# Altium PCB Mutiple_V1.PcbDoc (part 3 of 3) (continued)
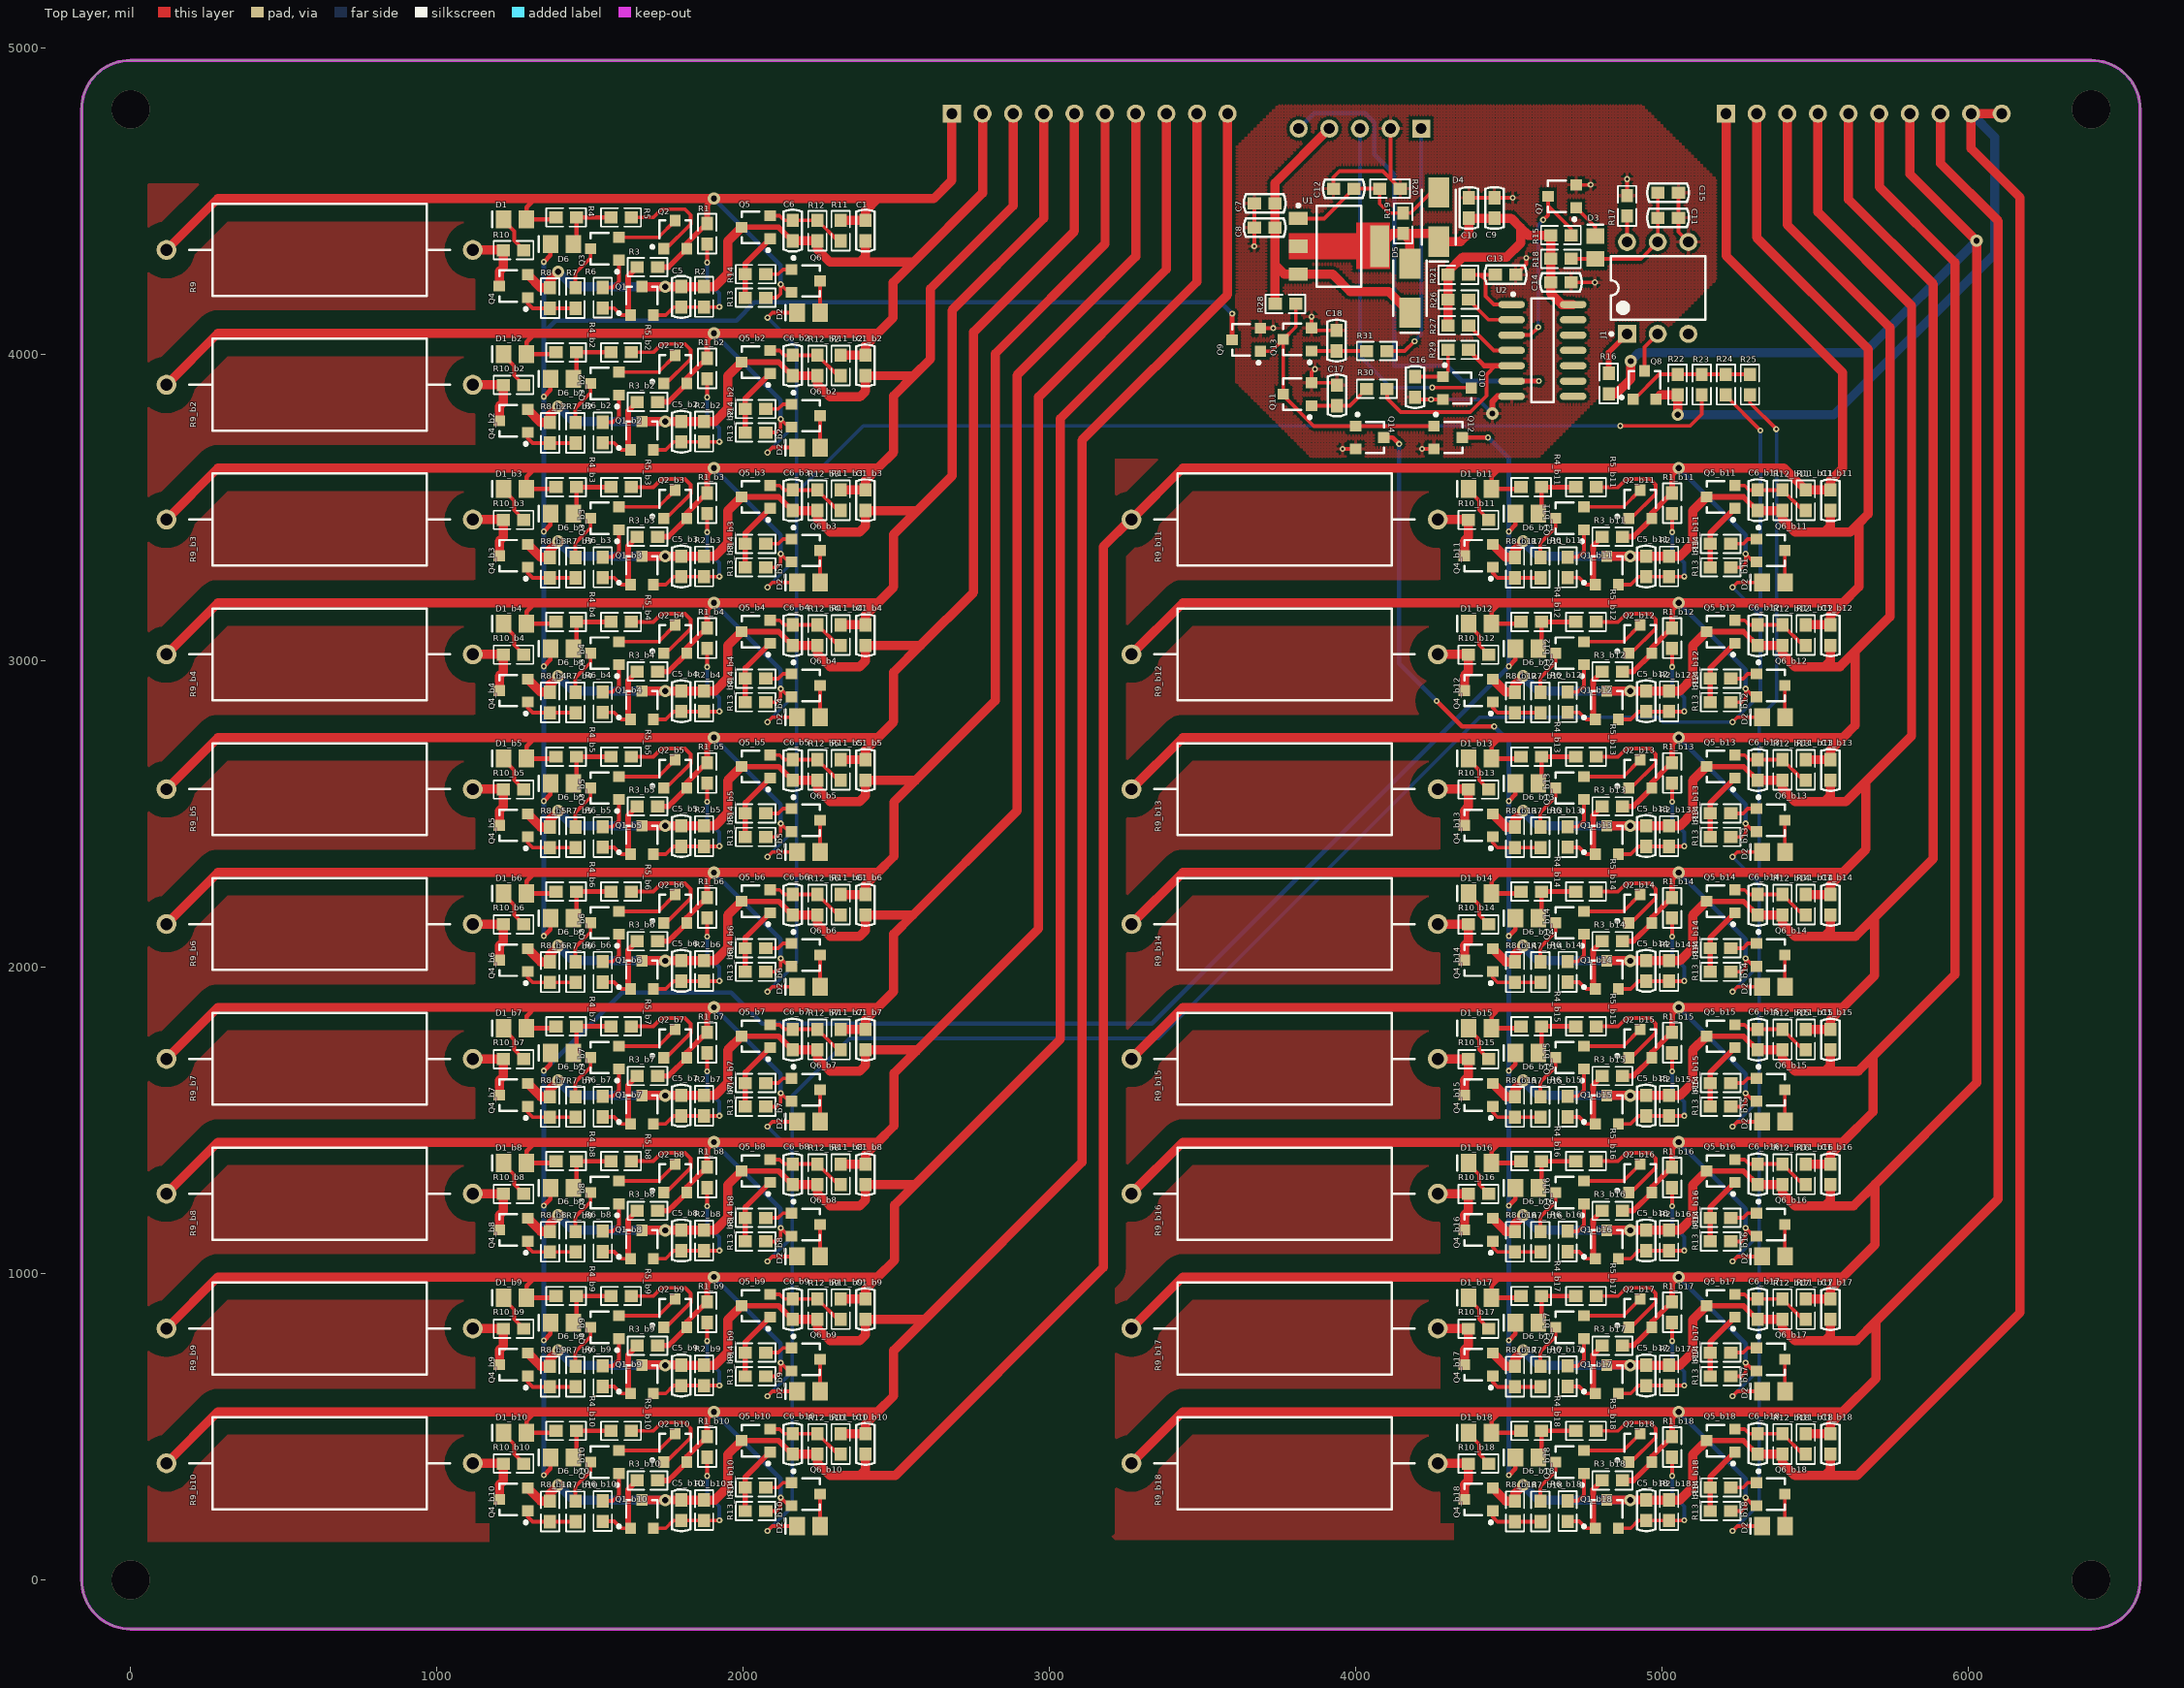
[diagram p0: Top Layer view]
## Nets (pads, with @x,y where several pads share a name; then routed paths per layer and width w, separated by ;. In a path a pad name is that pad's centre, name@x,y a point inside that pad or via, vN(x,y) a via of type N, cw(c..) or ccw(c..) an arc to the next point about the centre after c; other vN are vias at no path point) (continued)
NetQ3_1: Q3.1 R6.1 | length 130.8
  Top Layer w12: R6.1@1541,4218.46 1574.46,4218.46 1594.26,4238.26 Q3.1@1594.26,4307.6
NetQ3_3: Q3.3 R7.1 | length 150.6
  Top Layer w12: R7.1@1453.74,4219.2 R7.1@1452,4217.46 1452,4265 1501.74,4314.74 Q3.3@1501.74,4345
NetQ3_b2_1: Q3_b2.1 R6_b2.1 | length 130.8
  Top Layer w12: R6_b2.1@1541,3778.46 1574.46,3778.46 1594.26,3798.26 Q3_b2.1@1594.26,3867.6
NetQ3_b2_3: Q3_b2.3 R7_b2.1 | length 150.6
  Top Layer w12: R7_b2.1@1453.74,3779.2 R7_b2.1@1452,3777.46 1452,3825 1501.74,3874.74 Q3_b2.3@1501.74,3905
NetQ3_b3_1: Q3_b3.1 R6_b3.1 | length 130.8
  Top Layer w12: R6_b3.1@1541,3338.46 1574.46,3338.46 1594.26,3358.26 Q3_b3.1@1594.26,3427.6
NetQ3_b3_3: Q3_b3.3 R7_b3.1 | length 150.6
  Top Layer w12: R7_b3.1@1453.74,3339.2 R7_b3.1@1452,3337.46 1452,3385 1501.74,3434.74 Q3_b3.3@1501.74,3465
NetQ3_b4_1: Q3_b4.1 R6_b4.1 | length 130.8
  Top Layer w12: R6_b4.1@1541,2898.46 1574.46,2898.46 1594.26,2918.26 Q3_b4.1@1594.26,2987.6
NetQ3_b4_3: Q3_b4.3 R7_b4.1 | length 150.6
  Top Layer w12: R7_b4.1@1453.74,2899.2 R7_b4.1@1452,2897.46 1452,2945 1501.74,2994.74 Q3_b4.3@1501.74,3025
NetQ3_b5_1: Q3_b5.1 R6_b5.1 | length 130.8
  Top Layer w12: R6_b5.1@1541,2458.46 1574.46,2458.46 1594.26,2478.26 Q3_b5.1@1594.26,2547.6
NetQ3_b5_3: Q3_b5.3 R7_b5.1 | length 150.6
  Top Layer w12: R7_b5.1@1453.74,2459.2 R7_b5.1@1452,2457.46 1452,2505 1501.74,2554.74 Q3_b5.3@1501.74,2585
NetQ3_b6_1: Q3_b6.1 R6_b6.1 | length 130.8
  Top Layer w12: R6_b6.1@1541,2018.46 1574.46,2018.46 1594.26,2038.26 Q3_b6.1@1594.26,2107.6
NetQ3_b6_3: Q3_b6.3 R7_b6.1 | length 150.6
  Top Layer w12: R7_b6.1@1453.74,2019.2 R7_b6.1@1452,2017.46 1452,2065 1501.74,2114.74 Q3_b6.3@1501.74,2145
NetQ3_b7_1: Q3_b7.1 R6_b7.1 | length 130.8
  Top Layer w12: R6_b7.1@1541,1578.46 1574.46,1578.46 1594.26,1598.26 Q3_b7.1@1594.26,1667.6
NetQ3_b7_3: Q3_b7.3 R7_b7.1 | length 150.6
  Top Layer w12: R7_b7.1@1453.74,1579.2 R7_b7.1@1452,1577.46 1452,1625 1501.74,1674.74 Q3_b7.3@1501.74,1705
NetQ3_b8_1: Q3_b8.1 R6_b8.1 | length 130.8
  Top Layer w12: R6_b8.1@1541,1138.46 1574.46,1138.46 1594.26,1158.26 Q3_b8.1@1594.26,1227.6
NetQ3_b8_3: Q3_b8.3 R7_b8.1 | length 150.6
  Top Layer w12: R7_b8.1@1453.74,1139.2 R7_b8.1@1452,1137.46 1452,1185 1501.74,1234.74 Q3_b8.3@1501.74,1265
NetQ3_b9_1: Q3_b9.1 R6_b9.1 | length 130.8
  Top Layer w12: R6_b9.1@1541,698.46 1574.46,698.46 1594.26,718.26 Q3_b9.1@1594.26,787.6
NetQ3_b9_3: Q3_b9.3 R7_b9.1 | length 150.6
  Top Layer w12: R7_b9.1@1453.74,699.2 R7_b9.1@1452,697.46 1452,745 1501.74,794.74 Q3_b9.3@1501.74,825
NetQ3_b10_1: Q3_b10.1 R6_b10.1 | length 130.8
  Top Layer w12: R6_b10.1@1541,258.46 1574.46,258.46 1594.26,278.26 Q3_b10.1@1594.26,347.6
NetQ3_b10_3: Q3_b10.3 R7_b10.1 | length 150.6
  Top Layer w12: R7_b10.1@1453.74,259.2 R7_b10.1@1452,257.46 1452,305 1501.74,354.74 Q3_b10.3@1501.74,385
NetQ3_b11_1: Q3_b11.1 R6_b11.1 | length 130.8
  Top Layer w12: R6_b11.1@4691,3338.46 4724.46,3338.46 4744.26,3358.26 Q3_b11.1@4744.26,3427.6
NetQ3_b11_3: Q3_b11.3 R7_b11.1 | length 150.6
  Top Layer w12: R7_b11.1@4603.74,3339.2 R7_b11.1@4602,3337.46 4602,3385 4651.74,3434.74 Q3_b11.3@4651.74,3465
NetQ3_b12_1: Q3_b12.1 R6_b12.1 | length 130.8
  Top Layer w12: R6_b12.1@4691,2898.46 4724.46,2898.46 4744.26,2918.26 Q3_b12.1@4744.26,2987.6
NetQ3_b12_3: Q3_b12.3 R7_b12.1 | length 150.6
  Top Layer w12: R7_b12.1@4603.74,2899.2 R7_b12.1@4602,2897.46 4602,2945 4651.74,2994.74 Q3_b12.3@4651.74,3025
NetQ3_b13_1: Q3_b13.1 R6_b13.1 | length 130.8
  Top Layer w12: R6_b13.1@4691,2458.46 4724.46,2458.46 4744.26,2478.26 Q3_b13.1@4744.26,2547.6
NetQ3_b13_3: Q3_b13.3 R7_b13.1 | length 150.6
  Top Layer w12: R7_b13.1@4603.74,2459.2 R7_b13.1@4602,2457.46 4602,2505 4651.74,2554.74 Q3_b13.3@4651.74,2585
NetQ3_b14_1: Q3_b14.1 R6_b14.1 | length 130.8
  Top Layer w12: R6_b14.1@4691,2018.46 4724.46,2018.46 4744.26,2038.26 Q3_b14.1@4744.26,2107.6
NetQ3_b14_3: Q3_b14.3 R7_b14.1 | length 150.6
  Top Layer w12: R7_b14.1@4603.74,2019.2 R7_b14.1@4602,2017.46 4602,2065 4651.74,2114.74 Q3_b14.3@4651.74,2145
NetQ3_b15_1: Q3_b15.1 R6_b15.1 | length 130.8
  Top Layer w12: R6_b15.1@4691,1578.46 4724.46,1578.46 4744.26,1598.26 Q3_b15.1@4744.26,1667.6
NetQ3_b15_3: Q3_b15.3 R7_b15.1 | length 150.6
  Top Layer w12: R7_b15.1@4603.74,1579.2 R7_b15.1@4602,1577.46 4602,1625 4651.74,1674.74 Q3_b15.3@4651.74,1705
NetQ3_b16_1: Q3_b16.1 R6_b16.1 | length 130.8
  Top Layer w12: R6_b16.1@4691,1138.46 4724.46,1138.46 4744.26,1158.26 Q3_b16.1@4744.26,1227.6
NetQ3_b16_3: Q3_b16.3 R7_b16.1 | length 150.6
  Top Layer w12: R7_b16.1@4603.74,1139.2 R7_b16.1@4602,1137.46 4602,1185 4651.74,1234.74 Q3_b16.3@4651.74,1265
NetQ3_b17_1: Q3_b17.1 R6_b17.1 | length 130.8
  Top Layer w12: R6_b17.1@4691,698.46 4724.46,698.46 4744.26,718.26 Q3_b17.1@4744.26,787.6
NetQ3_b17_3: Q3_b17.3 R7_b17.1 | length 150.6
  Top Layer w12: R7_b17.1@4603.74,699.2 R7_b17.1@4602,697.46 4602,745 4651.74,794.74 Q3_b17.3@4651.74,825
NetQ3_b18_1: Q3_b18.1 R6_b18.1 | length 130.8
  Top Layer w12: R6_b18.1@4691,258.46 4724.46,258.46 4744.26,278.26 Q3_b18.1@4744.26,347.6
NetQ3_b18_3: Q3_b18.3 R7_b18.1 | length 150.6
  Top Layer w12: R7_b18.1@4603.74,259.2 R7_b18.1@4602,257.46 4602,305 4651.74,354.74 Q3_b18.3@4651.74,385
NetQ4_1: Q4.1 R7.2 R8.2 | length 181.6
  Top Layer w12: Q4.1@1296.26,4185.6 1296.26,4166.28 1312,4150.54 R8.2@1369,4150.54 R7.2@1452,4150.54
NetQ4_3: Q4.3 R9.1 R10.1 | length 220.8
  Top Layer w30: R9.1@1117,4341 R10.1@1215.54,4341 ; Q4.3@1203.74,4223 1203.74,4270.74 1216.54,4283.54 R10.1@1216.54,4340
NetQ4_b2_1: Q4_b2.1 R7_b2.2 R8_b2.2 | length 181.6
  Top Layer w12: Q4_b2.1@1296.26,3745.6 1296.26,3726.28 1312,3710.54 R8_b2.2@1369,3710.54 R7_b2.2@1452,3710.54
NetQ4_b2_3: Q4_b2.3 R9_b2.1 R10_b2.1 | length 220.8
  Top Layer w30: R9_b2.1@1117,3901 R10_b2.1@1215.54,3901 ; Q4_b2.3@1203.74,3783 1203.74,3830.74 1216.54,3843.54 R10_b2.1@1216.54,3900
NetQ4_b3_1: Q4_b3.1 R7_b3.2 R8_b3.2 | length 181.6
  Top Layer w12: Q4_b3.1@1296.26,3305.6 1296.26,3286.28 1312,3270.54 R8_b3.2@1369,3270.54 R7_b3.2@1452,3270.54
NetQ4_b3_3: Q4_b3.3 R9_b3.1 R10_b3.1 | length 220.8
  Top Layer w30: R9_b3.1@1117,3461 R10_b3.1@1215.54,3461 ; Q4_b3.3@1203.74,3343 1203.74,3390.74 1216.54,3403.54 R10_b3.1@1216.54,3460
NetQ4_b4_1: Q4_b4.1 R7_b4.2 R8_b4.2 | length 181.6
  Top Layer w12: Q4_b4.1@1296.26,2865.6 1296.26,2846.28 1312,2830.54 R8_b4.2@1369,2830.54 R7_b4.2@1452,2830.54
NetQ4_b4_3: Q4_b4.3 R9_b4.1 R10_b4.1 | length 220.8
  Top Layer w30: R9_b4.1@1117,3021 R10_b4.1@1215.54,3021 ; Q4_b4.3@1203.74,2903 1203.74,2950.74 1216.54,2963.54 R10_b4.1@1216.54,3020
NetQ4_b5_1: Q4_b5.1 R7_b5.2 R8_b5.2 | length 181.6
  Top Layer w12: Q4_b5.1@1296.26,2425.6 1296.26,2406.28 1312,2390.54 R8_b5.2@1369,2390.54 R7_b5.2@1452,2390.54
NetQ4_b5_3: Q4_b5.3 R9_b5.1 R10_b5.1 | length 220.8
  Top Layer w30: R9_b5.1@1117,2581 R10_b5.1@1215.54,2581 ; Q4_b5.3@1203.74,2463 1203.74,2510.74 1216.54,2523.54 R10_b5.1@1216.54,2580
NetQ4_b6_1: Q4_b6.1 R7_b6.2 R8_b6.2 | length 181.6
  Top Layer w12: Q4_b6.1@1296.26,1985.6 1296.26,1966.28 1312,1950.54 R8_b6.2@1369,1950.54 R7_b6.2@1452,1950.54
NetQ4_b6_3: Q4_b6.3 R9_b6.1 R10_b6.1 | length 220.8
  Top Layer w30: R9_b6.1@1117,2141 R10_b6.1@1215.54,2141 ; Q4_b6.3@1203.74,2023 1203.74,2070.74 1216.54,2083.54 R10_b6.1@1216.54,2140
NetQ4_b7_1: Q4_b7.1 R7_b7.2 R8_b7.2 | length 181.6
  Top Layer w12: Q4_b7.1@1296.26,1545.6 1296.26,1526.28 1312,1510.54 R8_b7.2@1369,1510.54 R7_b7.2@1452,1510.54
NetQ4_b7_3: Q4_b7.3 R9_b7.1 R10_b7.1 | length 220.8
  Top Layer w30: R9_b7.1@1117,1701 R10_b7.1@1215.54,1701 ; Q4_b7.3@1203.74,1583 1203.74,1630.74 1216.54,1643.54 R10_b7.1@1216.54,1700
NetQ4_b8_1: Q4_b8.1 R7_b8.2 R8_b8.2 | length 181.6
  Top Layer w12: Q4_b8.1@1296.26,1105.6 1296.26,1086.28 1312,1070.54 R8_b8.2@1369,1070.54 R7_b8.2@1452,1070.54
NetQ4_b8_3: Q4_b8.3 R9_b8.1 R10_b8.1 | length 220.8
  Top Layer w30: R9_b8.1@1117,1261 R10_b8.1@1215.54,1261 ; Q4_b8.3@1203.74,1143 1203.74,1190.74 1216.54,1203.54 R10_b8.1@1216.54,1260
NetQ4_b9_1: Q4_b9.1 R7_b9.2 R8_b9.2 | length 181.6
  Top Layer w12: Q4_b9.1@1296.26,665.6 1296.26,646.28 1312,630.54 R8_b9.2@1369,630.54 R7_b9.2@1452,630.54
NetQ4_b9_3: Q4_b9.3 R9_b9.1 R10_b9.1 | length 220.8
  Top Layer w30: R9_b9.1@1117,821 R10_b9.1@1215.54,821 ; Q4_b9.3@1203.74,703 1203.74,750.74 1216.54,763.54 R10_b9.1@1216.54,820
NetQ4_b10_1: Q4_b10.1 R7_b10.2 R8_b10.2 | length 181.6
  Top Layer w12: Q4_b10.1@1296.26,225.6 1296.26,206.28 1312,190.54 R8_b10.2@1369,190.54 R7_b10.2@1452,190.54
NetQ4_b10_3: Q4_b10.3 R9_b10.1 R10_b10.1 | length 220.8
  Top Layer w30: R9_b10.1@1117,381 R10_b10.1@1215.54,381 ; Q4_b10.3@1203.74,263 1203.74,310.74 1216.54,323.54 R10_b10.1@1216.54,380
NetQ4_b11_1: Q4_b11.1 R7_b11.2 R8_b11.2 | length 181.6
  Top Layer w12: Q4_b11.1@4446.26,3305.6 4446.26,3286.28 4462,3270.54 R8_b11.2@4519,3270.54 R7_b11.2@4602,3270.54
NetQ4_b11_3: Q4_b11.3 R9_b11.1 R10_b11.1 | length 220.8
  Top Layer w30: R9_b11.1@4267,3461 R10_b11.1@4365.54,3461 ; Q4_b11.3@4353.74,3343 4353.74,3390.74 4366.54,3403.54 R10_b11.1@4366.54,3460
NetQ4_b12_1: Q4_b12.1 R7_b12.2 R8_b12.2 | length 181.6
  Top Layer w12: Q4_b12.1@4446.26,2865.6 4446.26,2846.28 4462,2830.54 R8_b12.2@4519,2830.54 R7_b12.2@4602,2830.54
NetQ4_b12_3: Q4_b12.3 R9_b12.1 R10_b12.1 | length 220.8
  Top Layer w30: R9_b12.1@4267,3021 R10_b12.1@4365.54,3021 ; Q4_b12.3@4353.74,2903 4353.74,2950.74 4366.54,2963.54 R10_b12.1@4366.54,3020
NetQ4_b13_1: Q4_b13.1 R7_b13.2 R8_b13.2 | length 181.6
  Top Layer w12: Q4_b13.1@4446.26,2425.6 4446.26,2406.28 4462,2390.54 R8_b13.2@4519,2390.54 R7_b13.2@4602,2390.54
NetQ4_b13_3: Q4_b13.3 R9_b13.1 R10_b13.1 | length 220.8
  Top Layer w30: R9_b13.1@4267,2581 R10_b13.1@4365.54,2581 ; Q4_b13.3@4353.74,2463 4353.74,2510.74 4366.54,2523.54 R10_b13.1@4366.54,2580
NetQ4_b14_1: Q4_b14.1 R7_b14.2 R8_b14.2 | length 181.6
  Top Layer w12: Q4_b14.1@4446.26,1985.6 4446.26,1966.28 4462,1950.54 R8_b14.2@4519,1950.54 R7_b14.2@4602,1950.54
NetQ4_b14_3: Q4_b14.3 R9_b14.1 R10_b14.1 | length 220.8
  Top Layer w30: R9_b14.1@4267,2141 R10_b14.1@4365.54,2141 ; Q4_b14.3@4353.74,2023 4353.74,2070.74 4366.54,2083.54 R10_b14.1@4366.54,2140
NetQ4_b15_1: Q4_b15.1 R7_b15.2 R8_b15.2 | length 181.6
  Top Layer w12: Q4_b15.1@4446.26,1545.6 4446.26,1526.28 4462,1510.54 R8_b15.2@4519,1510.54 R7_b15.2@4602,1510.54
NetQ4_b15_3: Q4_b15.3 R9_b15.1 R10_b15.1 | length 220.8
  Top Layer w30: R9_b15.1@4267,1701 R10_b15.1@4365.54,1701 ; Q4_b15.3@4353.74,1583 4353.74,1630.74 4366.54,1643.54 R10_b15.1@4366.54,1700
NetQ4_b16_1: Q4_b16.1 R7_b16.2 R8_b16.2 | length 181.6
  Top Layer w12: Q4_b16.1@4446.26,1105.6 4446.26,1086.28 4462,1070.54 R8_b16.2@4519,1070.54 R7_b16.2@4602,1070.54
NetQ4_b16_3: Q4_b16.3 R9_b16.1 R10_b16.1 | length 220.8
  Top Layer w30: R9_b16.1@4267,1261 R10_b16.1@4365.54,1261 ; Q4_b16.3@4353.74,1143 4353.74,1190.74 4366.54,1203.54 R10_b16.1@4366.54,1260
NetQ4_b17_1: Q4_b17.1 R7_b17.2 R8_b17.2 | length 181.6
  Top Layer w12: Q4_b17.1@4446.26,665.6 4446.26,646.28 4462,630.54 R8_b17.2@4519,630.54 R7_b17.2@4602,630.54
NetQ4_b17_3: Q4_b17.3 R9_b17.1 R10_b17.1 | length 220.8
  Top Layer w30: R9_b17.1@4267,821 R10_b17.1@4365.54,821 ; Q4_b17.3@4353.74,703 4353.74,750.74 4366.54,763.54 R10_b17.1@4366.54,820
NetQ4_b18_1: Q4_b18.1 R7_b18.2 R8_b18.2 | length 181.6
  Top Layer w12: Q4_b18.1@4446.26,225.6 4446.26,206.28 4462,190.54 R8_b18.2@4519,190.54 R7_b18.2@4602,190.54
NetQ4_b18_3: Q4_b18.3 R9_b18.1 R10_b18.1 | length 220.8
  Top Layer w30: R9_b18.1@4267,381 R10_b18.1@4365.54,381 ; Q4_b18.3@4353.74,263 4353.74,310.74 4366.54,323.54 R10_b18.1@4366.54,380
NetQ5_1: Q5.1 R13.1 R14.2 | length 226
  Top Layer w18: R13.1@2006.54,4185 R14.2@2006.54,4262 2006.54,4296.87 Q5.1@2087.26,4377.6
NetQ5_b2_1: Q5_b2.1 R13_b2.1 R14_b2.2 | length 226
  Top Layer w18: R13_b2.1@2006.54,3745 R14_b2.2@2006.54,3822 2006.54,3856.87 Q5_b2.1@2087.26,3937.6
NetQ5_b3_1: Q5_b3.1 R13_b3.1 R14_b3.2 | length 226
  Top Layer w18: R13_b3.1@2006.54,3305 R14_b3.2@2006.54,3382 2006.54,3416.87 Q5_b3.1@2087.26,3497.6
NetQ5_b4_1: Q5_b4.1 R13_b4.1 R14_b4.2 | length 226
  Top Layer w18: R13_b4.1@2006.54,2865 R14_b4.2@2006.54,2942 2006.54,2976.87 Q5_b4.1@2087.26,3057.6
NetQ5_b5_1: Q5_b5.1 R13_b5.1 R14_b5.2 | length 226
  Top Layer w18: R13_b5.1@2006.54,2425 R14_b5.2@2006.54,2502 2006.54,2536.87 Q5_b5.1@2087.26,2617.6
NetQ5_b6_1: Q5_b6.1 R13_b6.1 R14_b6.2 | length 226
  Top Layer w18: R13_b6.1@2006.54,1985 R14_b6.2@2006.54,2062 2006.54,2096.87 Q5_b6.1@2087.26,2177.6
NetQ5_b7_1: Q5_b7.1 R13_b7.1 R14_b7.2 | length 226
  Top Layer w18: R13_b7.1@2006.54,1545 R14_b7.2@2006.54,1622 2006.54,1656.87 Q5_b7.1@2087.26,1737.6
NetQ5_b8_1: Q5_b8.1 R13_b8.1 R14_b8.2 | length 226
  Top Layer w18: R13_b8.1@2006.54,1105 R14_b8.2@2006.54,1182 2006.54,1216.87 Q5_b8.1@2087.26,1297.6
NetQ5_b9_1: Q5_b9.1 R13_b9.1 R14_b9.2 | length 226
  Top Layer w18: R13_b9.1@2006.54,665 R14_b9.2@2006.54,742 2006.54,776.87 Q5_b9.1@2087.26,857.6
NetQ5_b10_1: Q5_b10.1 R13_b10.1 R14_b10.2 | length 226
  Top Layer w18: R13_b10.1@2006.54,225 R14_b10.2@2006.54,302 2006.54,336.87 Q5_b10.1@2087.26,417.6
NetQ5_b11_1: Q5_b11.1 R13_b11.1 R14_b11.2 | length 226
  Top Layer w18: R13_b11.1@5156.54,3305 R14_b11.2@5156.54,3382 5156.54,3416.87 Q5_b11.1@5237.26,3497.6
NetQ5_b12_1: Q5_b12.1 R13_b12.1 R14_b12.2 | length 226
  Top Layer w18: R13_b12.1@5156.54,2865 R14_b12.2@5156.54,2942 5156.54,2976.87 Q5_b12.1@5237.26,3057.6
NetQ5_b13_1: Q5_b13.1 R13_b13.1 R14_b13.2 | length 226
  Top Layer w18: R13_b13.1@5156.54,2425 R14_b13.2@5156.54,2502 5156.54,2536.87 Q5_b13.1@5237.26,2617.6
NetQ5_b14_1: Q5_b14.1 R13_b14.1 R14_b14.2 | length 226
  Top Layer w18: R13_b14.1@5156.54,1985 R14_b14.2@5156.54,2062 5156.54,2096.87 Q5_b14.1@5237.26,2177.6
NetQ5_b15_1: Q5_b15.1 R13_b15.1 R14_b15.2 | length 226
  Top Layer w18: R13_b15.1@5156.54,1545 R14_b15.2@5156.54,1622 5156.54,1656.87 Q5_b15.1@5237.26,1737.6
NetQ5_b16_1: Q5_b16.1 R13_b16.1 R14_b16.2 | length 226
  Top Layer w18: R13_b16.1@5156.54,1105 R14_b16.2@5156.54,1182 5156.54,1216.87 Q5_b16.1@5237.26,1297.6
NetQ5_b17_1: Q5_b17.1 R13_b17.1 R14_b17.2 | length 226
  Top Layer w18: R13_b17.1@5156.54,665 R14_b17.2@5156.54,742 5156.54,776.87 Q5_b17.1@5237.26,857.6
NetQ5_b18_1: Q5_b18.1 R13_b18.1 R14_b18.2 | length 226
  Top Layer w18: R13_b18.1@5156.54,225 R14_b18.2@5156.54,302 5156.54,336.87 Q5_b18.1@5237.26,417.6
NetQ6_1: Q6.1 R14.1 | length 90.7
  Top Layer w12: R14.1@2073.46,4262 2114,4262 2129.4,4277.4 Q6.1@2157.74,4277.4
NetQ6_b2_1: Q6_b2.1 R14_b2.1 | length 90.7
  Top Layer w12: R14_b2.1@2073.46,3822 2114,3822 2129.4,3837.4 Q6_b2.1@2157.74,3837.4
NetQ6_b3_1: Q6_b3.1 R14_b3.1 | length 90.7
  Top Layer w12: R14_b3.1@2073.46,3382 2114,3382 2129.4,3397.4 Q6_b3.1@2157.74,3397.4
NetQ6_b4_1: Q6_b4.1 R14_b4.1 | length 90.7
  Top Layer w12: R14_b4.1@2073.46,2942 2114,2942 2129.4,2957.4 Q6_b4.1@2157.74,2957.4
NetQ6_b5_1: Q6_b5.1 R14_b5.1 | length 90.7
  Top Layer w12: R14_b5.1@2073.46,2502 2114,2502 2129.4,2517.4 Q6_b5.1@2157.74,2517.4
NetQ6_b6_1: Q6_b6.1 R14_b6.1 | length 90.7
  Top Layer w12: R14_b6.1@2073.46,2062 2114,2062 2129.4,2077.4 Q6_b6.1@2157.74,2077.4
NetQ6_b7_1: Q6_b7.1 R14_b7.1 | length 90.7
  Top Layer w12: R14_b7.1@2073.46,1622 2114,1622 2129.4,1637.4 Q6_b7.1@2157.74,1637.4
NetQ6_b8_1: Q6_b8.1 R14_b8.1 | length 90.7
  Top Layer w12: R14_b8.1@2073.46,1182 2114,1182 2129.4,1197.4 Q6_b8.1@2157.74,1197.4
NetQ6_b9_1: Q6_b9.1 R14_b9.1 | length 90.7
  Top Layer w12: R14_b9.1@2073.46,742 2114,742 2129.4,757.4 Q6_b9.1@2157.74,757.4
NetQ6_b10_1: Q6_b10.1 R14_b10.1 | length 90.7
  Top Layer w12: R14_b10.1@2073.46,302 2114,302 2129.4,317.4 Q6_b10.1@2157.74,317.4
NetQ6_b11_1: Q6_b11.1 R14_b11.1 | length 90.7
  Top Layer w12: R14_b11.1@5223.46,3382 5264,3382 5279.4,3397.4 Q6_b11.1@5307.74,3397.4
NetQ6_b12_1: Q6_b12.1 R14_b12.1 | length 90.7
  Top Layer w12: R14_b12.1@5223.46,2942 5264,2942 5279.4,2957.4 Q6_b12.1@5307.74,2957.4
NetQ6_b13_1: Q6_b13.1 R14_b13.1 | length 90.7
  Top Layer w12: R14_b13.1@5223.46,2502 5264,2502 5279.4,2517.4 Q6_b13.1@5307.74,2517.4
NetQ6_b14_1: Q6_b14.1 R14_b14.1 | length 90.7
  Top Layer w12: R14_b14.1@5223.46,2062 5264,2062 5279.4,2077.4 Q6_b14.1@5307.74,2077.4
NetQ6_b15_1: Q6_b15.1 R14_b15.1 | length 90.7
  Top Layer w12: R14_b15.1@5223.46,1622 5264,1622 5279.4,1637.4 Q6_b15.1@5307.74,1637.4
NetQ6_b16_1: Q6_b16.1 R14_b16.1 | length 90.7
  Top Layer w12: R14_b16.1@5223.46,1182 5264,1182 5279.4,1197.4 Q6_b16.1@5307.74,1197.4
NetQ6_b17_1: Q6_b17.1 R14_b17.1 | length 90.7
  Top Layer w12: R14_b17.1@5223.46,742 5264,742 5279.4,757.4 Q6_b17.1@5307.74,757.4
NetQ6_b18_1: Q6_b18.1 R14_b18.1 | length 90.7
  Top Layer w12: R14_b18.1@5223.46,302 5264,302 5279.4,317.4 Q6_b18.1@5307.74,317.4
NetQ8_1: Q8.1 R22.2 R23.2 R24.2 R25.2 | length 415
  Top Layer w12: Q8.1@4904.6,3853.74 4908.52,3853.74 4989.71,3934.93 R22.2@5050,3934.93 R23.2@5128.67,3934.93 R24.2@5207.33,3934.93 R25.2@5286,3934.93
NetR26_1: R26.1 U2.2 | length 167.9
  Top Layer w12: R26.1@4367.46,4179 4433.46,4113 U2.2@4508,4113
NetR27_1: R27.1 U2.4 | length 174.5
  Top Layer w12: R27.1@4367.46,4095 4449.46,4013 U2.4@4508,4013
OFF: P3.1 R31.1 | length 805.9
  Top Layer w12: R31.1@4101.46,4011 4159,4011 v1(4191,4043)
  Bottom Layer w12: v1(4191,4043) 4213,4065 P3.1@4213,4737
OFF_S: R29.1 R30.1 U2.5 | length 667.8
  Top Layer w12: R30.1@4101.46,3887.32 4101.46,3856.54 4146,3812 4373,3812 4426,3865 4426,3934 4455,3963
  Top Layer w15: R29.1@4367.46,4015 4419.46,3963
  Top Layer w18: 4419.46,3963 4455,3963 U2.5@4508,3963
OUT5: D2.2 D2_b2.2 D2_b3.2 D2_b4.2 D2_b5.2 D2_b6.2 R23.1 | length 6559.4
  Top Layer w12: v1(2079,1920) 2095,1936 D2_b6.2@2175.6,1936 ; v1(2079,2360) 2095,2376 D2_b5.2@2175.6,2376 ; v1(2079,2800) 2095,2816 D2_b4.2@2175.6,2816 ; v1(2079,3240) 2095,3256 D2_b3.2@2175.6,3256 ; v1(2079,3680) 2095,3696 D2_b2.2@2175.6,3696 ; v1(2079,4120) 2095,4136 D2.2@2175.6,4136 ; v1(4863,3767) 5091,3767 5128.67,3804.67 R23.1@5128.67,3868
  Bottom Layer w12: v1(2079,1920) 2174,2015 2174,2455 ; v1(2079,2360) 2174,2455 ; v1(2079,2800) 2174,2895 ; v1(2079,3240) 2174,3335 ; v1(2079,3680) 2174,3775 ; v1(2079,4120) 2174,4025 2174,3775 ; v1(4863,3767) 2392,3767 2174,3549 ; 2174,2455 2174,2895 ; 2174,2895 2174,3335 ; 2174,3335 2174,3549 ; 2174,3549 2174,3775
OUT11: D2_b7.2 D2_b8.2 D2_b9.2 D2_b10.2 D2_b11.2 D2_b12.2 R24.1 | length 7285.8
  Top Layer w12: v1(2079,160) 2095,176 D2_b10.2@2175.6,176 ; v1(2079,600) 2095,616 D2_b9.2@2175.6,616 ; v1(2079,1040) 2095,1056 D2_b8.2@2175.6,1056 ; v1(2079,1480) 2095,1496 D2_b7.2@2175.6,1496 ; R24.1@5207.33,3868 5207.33,3864.67 v1(5320,3752) ; v1(5229,2800) 5245,2816 D2_b12.2@5325.6,2816 ; v1(5229,3240) 5245,3256 D2_b11.2@5325.6,3256
  Bottom Layer w12: v1(2079,160) 2160,241 2160,681 ; v1(2079,600) 2160,681 ; v1(2079,1040) 2160,1121 ; v1(2079,1480) 2160,1399 ; v1(5229,3240) 5320,3149 ; v1(5320,3752) 5320,3149 ; 2160,681 2160,1121 ; 2160,1121 2160,1399 ; 2160,1399 2160,1581 2347,1768 3356,1768 4404,2816 4986,2816 5002,2800 v1(5229,2800) 5320,2891 5320,3149
OUT17: D2_b13.2 D2_b14.2 D2_b15.2 D2_b16.2 D2_b17.2 D2_b18.2 R25.1 | length 5038.2
  Top Layer w12: v1(5229,160) 5245,176 D2_b18.2@5325.6,176 ; v1(5229,600) 5245,616 D2_b17.2@5325.6,616 ; v1(5229,1040) 5245,1056 D2_b16.2@5325.6,1056 ; v1(5229,1480) 5245,1496 D2_b15.2@5325.6,1496 ; v1(5229,1920) 5245,1936 D2_b14.2@5325.6,1936 ; v1(5229,2360) 5245,2376 D2_b13.2@5325.6,2376 ; R25.1@5286,3868 5286,3842 v1(5372,3756)
  Bottom Layer w12: v1(5229,160) 5316,247 5316,687 ; v1(5229,600) 5316,687 ; v1(5229,1040) 5316,1127 ; v1(5229,1480) 5316,1567 ; v1(5229,1920) 5316,2007 ; v1(5229,2360) 5316,2273 ; v1(5372,3756) 5373,3755 5373,2872 5316,2815 5316,2273 ; 5316,687 5316,1127 ; 5316,1127 5316,1567 ; 5316,1567 5316,2007 ; 5316,2007 5316,2273
OUT_G5: D6.2 D6_b2.2 D6_b3.2 D6_b4.2 D6_b5.2 D6_b6.2 Q9.3 | length 4989.7
  Top Layer w15: v1(1349,2102) 1370.6,2123.6 D6_b6.2@1370.6,2160 ; v1(1349,2542) 1370.6,2563.6 D6_b5.2@1370.6,2600 ; v1(1349,2982) 1370.6,3003.6 D6_b4.2@1370.6,3040 ; v1(1349,3422) 1370.6,3443.6 D6_b3.2@1370.6,3480 ; v1(1349,3862) 1370.6,3883.6 D6_b2.2@1370.6,3920 ; v1(1349,4302) 1370.6,4323.6 D6.2@1370.6,4360 ; Q9.3@3595.74,4048 3595.74,4132.74 v1(3596,4133)
  Bottom Layer w15: v1(1349,2102) v1(1349,2542) v1(1349,2982) v1(1349,3422) v1(1349,3862) 1349,4072 ; v1(1349,4302) 1349,4072 ; v1(3596,4133) 3559,4170 2037,4170 1977,4110 1387,4110 1349,4072
OUT_G11: D6_b7.2 D6_b8.2 D6_b9.2 D6_b10.2 D6_b11.2 D6_b12.2 Q12.3 | length 6361.4
  Top Layer w15: v1(1349,342) 1370.6,363.6 D6_b10.2@1370.6,400 ; v1(1349,782) 1370.6,803.6 D6_b9.2@1370.6,840 ; v1(1349,1222) 1370.6,1243.6 D6_b8.2@1370.6,1280 ; v1(1349,1662) 1370.6,1683.6 D6_b7.2@1370.6,1720 ; Q12.3@4347.26,3729 v1(4431,3729) ; v1(4499,2982) 4520.6,3003.6 D6_b12.2@4520.6,3040 ; v1(4499,3422) 4520.6,3443.6 D6_b11.2@4520.6,3480
  Bottom Layer w15: v1(1349,342) v1(1349,782) v1(1349,1222) v1(1349,1662) 1604.5,1917.5 1960.5,1917.5 2062,1816 3333,1816 v1(4499,2982) v1(4499,3422) 4499,3661 v1(4431,3729)
OUT_G17: D6_b13.2 D6_b14.2 D6_b15.2 D6_b16.2 D6_b17.2 D6_b18.2 Q14.3 | length 4035.9
  Top Layer w15: Q14.3@4091.26,3729 4120,3729 v1(4141,3708) ; v1(4263,2869) 4346,2786 v1(4451,2786) ; v1(4499,342) 4520.6,363.6 D6_b18.2@4520.6,400 ; v1(4499,782) 4520.6,803.6 D6_b17.2@4520.6,840 ; v1(4499,1222) 4520.6,1243.6 D6_b16.2@4520.6,1280 ; v1(4499,1662) 4520.6,1683.6 D6_b15.2@4520.6,1720 ; v1(4499,2102) 4520.6,2123.6 D6_b14.2@4520.6,2160 ; v1(4499,2542) 4520.6,2563.6 D6_b13.2@4520.6,2600
  Bottom Layer w15: v1(4141,3708) 4141,2991 v1(4263,2869) ; v1(4451,2786) 4499,2738 v1(4499,2542) v1(4499,2102) v1(4499,1662) v1(4499,1222) v1(4499,782) v1(4499,342)
pads on no net: J1.3 U2.8 U2.9 U2.10 U2.11 U2.12 U2.13
copper on no net:
  other v3: 0,0 6400,0 0,4800 6400,4800

## Polygon pours and split planes (outlines as drawn)
C- on Bottom Layer "C-_L02_P046" (hatched 90Degree grid 10 track 8, remove dead copper, pour order 46): 3751,4823 3751,4822 3604,4675 3601,4672 3601,3901 3613,3901 3854,3660 3857,3657 4607,3657 4607,3660 5182,4235 5180,4237 5180,4577 5180,4582 4944,4818 4941,4821 3751,4821
IN_B17 on Bottom Layer "IN_B17_L02_P036" (solid, pour order 36): 3208,3655 4298,3655 4309,3655 4316,3648 4316,130 3214,130 3211,133 3208,136 3208,3656
IN_B17 on Bottom Layer "IN_B17_L02_P032" (solid, pour order 32): 51,4558 1174,4557 1174,2353 1174,126 1030,127 1029,126 55,126 55,4557 56,4558
C- on Top Layer "C-_L01_P044" (hatched 90Degree grid 10 track 8, remove dead copper, pour order 44): 3749,4816 3609,4676 3609,4636 3609,3910 3857,3662 3860,3665 4563,3665 4597,3665 5175,4243 5175,4555 5175,4572 4946,4801 4934,4813 3749,4813
IN_B17 on Top Layer "IN_B17_L01_P038" (solid, pour order 38): 3213,3660 4312,3660 4319,3653 4319,131 3214,131 3203,142 3213,152 3213,3670
IN_B17 on Top Layer "IN_B17_L01_P034" (solid, pour order 34): 56,4557 57,4558 1171,4558 1171,2347 1171,125 55,125 55,4555 58,4558

## Keep-outs
Keep-Out Layer:
  the board outline again, w10

## Other copper
Top Layer:
  rectangle net 5V: 4000,4279 4111,4431
  rectangle net 5V: 3780,4310 4111,4395

## Dimensions
6558,-154 to -162,-280 on Keep-Out Layer
-492,-160.06 to -506,4959.94 on Keep-Out Layer